# Altium PCB VCU_LAYOUT.PcbDoc (part 1 of 2) (continued)
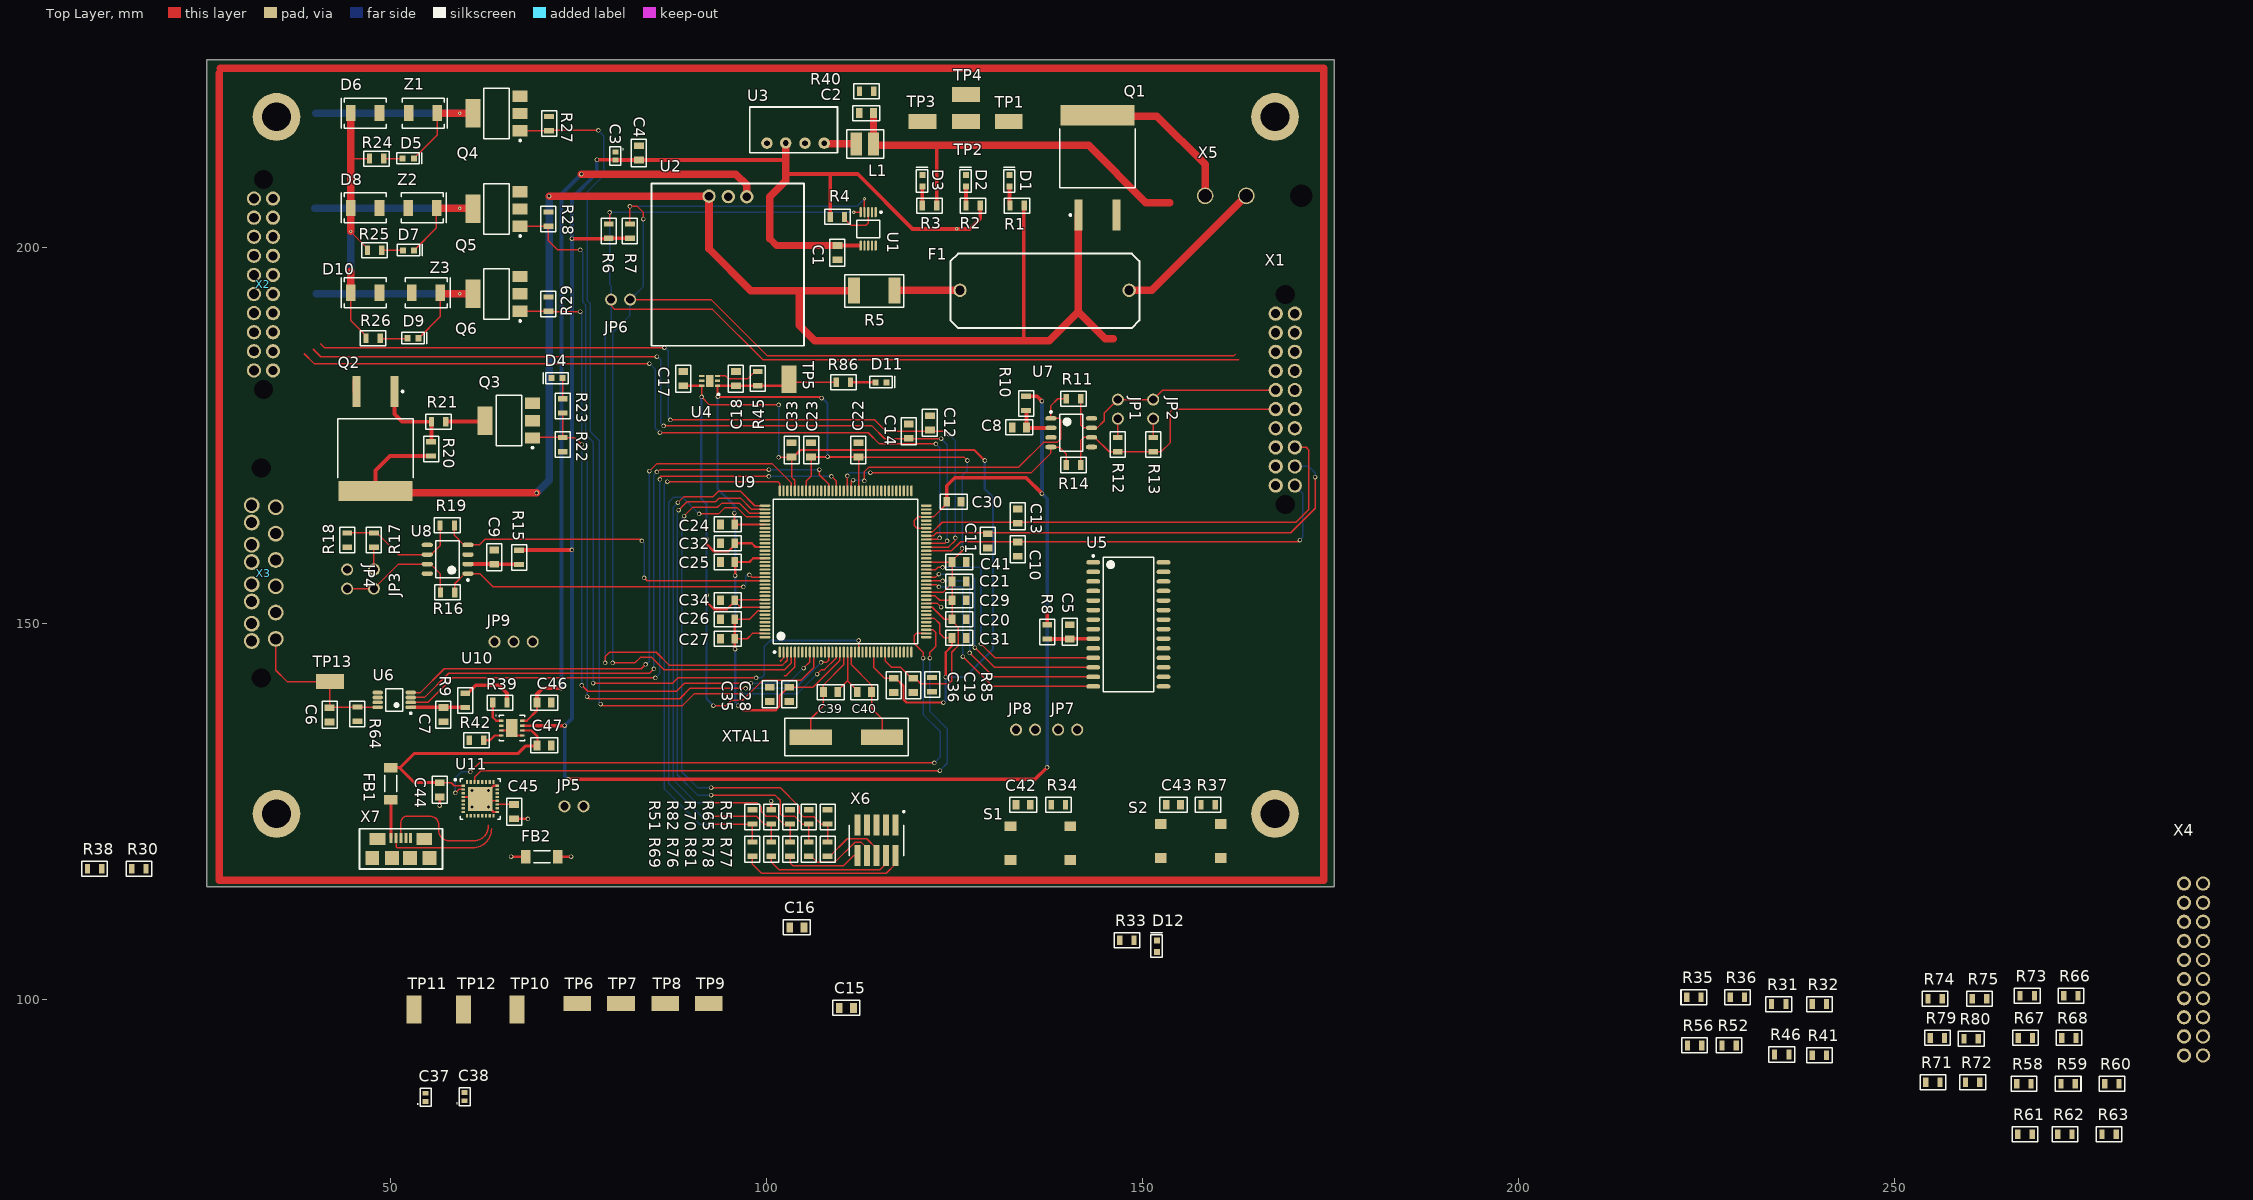
[diagram p0: Top Layer view]
## Footprints (in the part's own frame and the unit in brackets; to place one, negate y for a bottom-side part, rotate by r counter-clockwise, add the part's x,y. Pads: shape width x height; smd on the part's side, far side on the other; paste and mask are expansions set on the pad) (continued)
PUSH_BUTTON [mm]
  rect 1.55x1.3 smd: 1(-3.975,2.25) 1(3.975,2.25) 2(-3.975,-2.25) 2(3.975,-2.25)
  body extent -4.5,-3 4.5,3, height 4.3
QFN-32 [mm] "QFN, 32-Leads, Body 5.00x5.00mm, Pitch 0.50mm, Thermal Pad 3.20x3.20mm, IPC Medium Density"
  rect 0.5x0.3 smd: 1(-2.25,1.75) 2(-2.25,1.25) 3(-2.25,0.75) 4(-2.25,0.25) 5(-2.25,-0.25) 6(-2.25,-0.75) 7(-2.25,-1.25) 8(-2.25,-1.75) 17(2.25,-1.75) 18(2.25,-1.25) 19(2.25,-0.75) 20(2.25,-0.25) 21(2.25,0.25) 22(2.25,0.75) 23(2.25,1.25) 24(2.25,1.75)
  rect 0.3x0.5 smd: 9(-1.75,-2.25) 10(-1.25,-2.25) 11(-0.75,-2.25) 12(-0.25,-2.25) 13(0.25,-2.25) 14(0.75,-2.25) 15(1.25,-2.25) 16(1.75,-2.25) 25(1.75,2.25) 26(1.25,2.25) 27(0.75,2.25) 28(0.25,2.25) 29(-0.25,2.25) 30(-0.75,2.25) 31(-1.25,2.25) 32(-1.75,2.25)
  rect 3.2x3.2 smd: 33(0,0)
  silkscreen extent -3.46,-2.69 2.69,2.69, body extent -2.59,-2.59 2.59,2.59, height 0.6
R0805 [mm]
  rect 0.7x1.3 smd: 1(-0.95,0) 2(0.95,0)
  silkscreen extent -1.7,-1 1.7,1
R2512 [mm]
  rect 1.6x3.5 smd: 1(-2.7,0) 2(2.7,0)
  silkscreen extent -3.9,-2.1 3.9,2.2
SOT-223_NFET [mm] "SOT223, 4-Leads, Body 6.50x7.00mm (avg), Pitch 2.30mm, IPC Medium Density"
  rect 2x1.5 smd: 1(-3.15,2.3) 2(-3.15,0) 3(-3.15,-2.3)
  rect 2x3.8 smd: 4(3.15,0)
  silkscreen extent -3.27,-3.35 1.7,3.72, body extent -1.85,-3.35 1.85,3.35, height 1.63
TANT_10u [mm] "DFN, 2-Leads, Body 0.85x1.60mm, Pitch 1.10mm, IPC Medium Density"
  rect 0.65x0.8 smd: 1(-0.55,0) 2(0.55,0)
  silkscreen extent -1.2,-0.8 1.2,1.05, body extent -0.85,-0.43 0.85,0.43, height 0.9
TP_HOOK [mm]
  rect 3.7x2 smd: 1(0,0)
  body extent -1.56,-0.51 1.56,0.51, height 1.52
USB_MICRO [mm]
  rect 0.4x1.35 smd: 1(-1.3,0) 3(0,0) 4(0.65,0) 5(1.3,0)
  rect 0.4x1.355 smd: 2(-0.65,0)
  rect 1.8x1.9 smd: ""(-3.8,-2.675) ""(3.8,-2.675)
  rect 2.1x1.6 smd: ""(-3.1,-0.125) ""(3.1,-0.125)
  rect 1.9x1.9 smd: ""(-1.2,-2.675) ""(1.2,-2.675)
  silkscreen extent -5.53,-4.15 5.52,1.22, body extent -3.96,-5.31 3.96,0.35, height 2.74
VSON-8 [mm] "SON, 8-Leads, Body 3.00x3.00mm, Pitch 0.65mm, Thermal Pad 2.40x1.49mm, IPC Medium Density"
  rect 0.6x0.3 smd: 1(-1.4,0.975) 2(-1.4,0.325) 3(-1.4,-0.325) 4(-1.4,-0.975) 5(1.4,-0.975) 6(1.4,-0.325) 7(1.4,0.325) 8(1.4,0.975)
  rect 1.49x2.4 smd: 9(0,0)
  silkscreen extent -2.15,-1.7 1.7,1.75, body extent -1.6,-1.55 1.6,1.55, height 1
WSON [mm] "QFN, 6-Leads, Body 2.00x2.00mm, Pitch 0.65mm, Thermal Pad 1.60x1.00mm, IPC Medium Density"
  rect 0.3x0.7 smd: 1(-0.65,-1.05) 2(0,-1.05) 3(0.65,-1.05) 4(0.65,1.05) 5(0,1.05) 6(-0.65,1.05)
  rect 1.6x1 smd: 7(0,0)
  silkscreen extent -1.92,-1.33 -1.68,-1.08, body extent -1.05,-1.05 1.05,1.05, height 0.8
XTAL [mm]
  rect 5.6x2.1 smd: 1(-4.75,0) 2(4.75,0)
  silkscreen extent -8.2,-2.5 8.2,2.5, body extent -6.35,-2.35 6.35,2.35, height 3.16

## Part data
C1 C4 C5 C6 C7 C8 C9 C19 C20 C21 C22 C23 C24 C25 C26 C27 C28 C29 C30 C31 C32 C33 C34 C35 C36 C41 C42 C43 C44 C46 C47: library part GRM21B7U1A104JA01L, "CAP MLCC 100nF 10Volts U2J 5%", Case/Package=0805, Case Code (Metric)=2012, Dielectric=U2J, Manufacturer=Murata, Max Operating Temperature=125°C, Min Operating Temperature=-55°C, Package Quantity=3000, Supplier Part Number 1=490-11592-6-ND, Tolerance=5%, Voltage Rating=10V, Capacitance=100nF, Case Code (Imperial)=0805, ComponentLink1Description=https://datasheet.ciiva.com/5424/product-5424660.pdf, ComponentLink1URL=https://datasheet.ciiva.com/5424/product-5424660.pdf, ComponentLink2Description=https://datasheet.ciiva.com/17451/product-17451845.pdf, ComponentLink2URL=https://datasheet.ciiva.com/17451/product-17451845.pdf, ComponentLink3Description=https://datasheet.ciiva.com/11618/product-11618924.pdf, ComponentLink3URL=https://datasheet.ciiva.com/11618/product-11618924.pdf, Depth=1.25mm, Height=1.25mm, Length=2mm, Manufacturer Part Number=GRM21B7U1A104JA01L, Mount="Surface Mount", Packaging="Tape and Reel", Pricing 1="1=0.46, 10=0.32, 100=0.192, 500=0.144, 1000=0.1216 (USD)", Radiation Hardening=No, Stock 1=6000, Supplier 1=Digi-Key, Termination=SMD/SMT, Thickness=0.053inch, Voltage Rating (DC)=10V, Width=0.049inch
C2 C45: library part GRM219R61A475KE34D, "CAP MLCC 4.7µF ±10% 10V X5R Ceramic Capacitor -55°C ~ 85°C Surface Mount, MLCC 0805 (2012 Metric) 0.079\" L x 0.049\" W (2.00mm x 1.25mm)", Capacitance=4.7uF, Case/Package=0805, Case Code (Metric)=2012, Dielectric=X5R, Manufacturer=Murata, Max Operating Temperature=85°C, Min Operating Temperature=-55°C, Package Quantity=4000, Supplier Part Number 1=490-3339-6-ND, Tolerance=10%, Voltage=10V, Case Code (Imperial)=0805, ComponentLink1Description=https://datasheet.ciiva.com/169/product-169527.pdf, ComponentLink1URL=https://datasheet.ciiva.com/169/product-169527.pdf, ComponentLink2Description=https://datasheet.ciiva.com/5414/product-5414984.pdf, ComponentLink2URL=https://datasheet.ciiva.com/5414/product-5414984.pdf, ComponentLink3Description=https://datasheet.ciiva.com/16467/product-16467258.pdf, ComponentLink3URL=https://datasheet.ciiva.com/16467/product-16467258.pdf, ComponentLink4Description=https://datasheet.ciiva.com/29542/product-29542667.pdf, ComponentLink4URL=https://datasheet.ciiva.com/29542/product-29542667.pdf, ComponentLink5Description=https://datasheet.ciiva.com/29542/product-29542668.pdf, ComponentLink5URL=https://datasheet.ciiva.com/29542/product-29542668.pdf, Depth=1.25mm, Height=0.85mm, Lead Free="Lead Free", Length=2mm, Manufacturer Part Number=GRM219R61A475KE34D, Mount="Surface Mount", Packaging="Tape and Reel", Pricing 1="1=0.21, 10=0.152, 100=0.0716, 500=0.0502, 1000=0.0416 (USD)", Stock 1=251830, Supplier 1=Digi-Key, Termination=SMD/SMT, Thickness=0.037inch, Voltage Rating=10V, Voltage Rating (DC)=10V, Width=0.049inch
C3 C37 C38: library part F381A106MMA, "CAP TANTALUM 10uF, 0603 [1608 Metric], 0.5 ohm, 10 V AVX  Surface Mount Tantalum Capacitor, F38 Series, 10uF, 0603 [1608 Metric], 0.5 ohm, 10 V", Case/Package=0603, Case Code (Metric)=1608, ESR (Equivalent Series Resistance)=500mR, Leakage Current=10uA, Manufacturer="Kyocera AVX", Max Operating Temperature=105°C, Min Operating Temperature=-55°C, Package Quantity=4000, Supplier Part Number 1=478-9527-1-ND, Tolerance=20%, Voltage Rating=10V, Capacitance=10uF, Case Code (Imperial)=0603, ComponentLink1Description=https://datasheet.ciiva.com/48510/f38-48510901.pdf, ComponentLink1URL=https://datasheet.ciiva.com/48510/f38-48510901.pdf, ComponentLink2Description=https://datasheet.ciiva.com/46417/1805432-46417517.pdf, ComponentLink2URL=https://datasheet.ciiva.com/46417/1805432-46417517.pdf, ComponentLink3Description=https://datasheet.ciiva.com/46417/1805432-46417518.pdf, ComponentLink3URL=https://datasheet.ciiva.com/46417/1805432-46417518.pdf, Depth=0.85mm, Dissipation Factor=15%, Height=0.8mm, Height - Seated (Max)=0.035inch, Length=1.6mm, Life (Hours)=1000Hour, Manufacturer Part Number=F381A106MMA, Packaging="Tape and Reel", Pricing 1="1=0.75, 10=0.551, 100=0.3779, 500=0.2992, 1000=0.2519 (USD)", Radiation Hardening=No, REACH SVHC="No SVHC", Stock 1=7989, Supplier 1=Digi-Key, Termination=SMD/SMT, Voltage Rating (DC)=10V, Weight=7.1E-05oz, Width=0.033inch
C10 C11 C12 C13 C14 C15 C16: library part GRM21B7U1A104JA01L, "MLCC SMD CAP 100nF 10Volts U2J 5%", Case/Package=0805, Case Code (Metric)=2012, Dielectric=U2J, Manufacturer=Murata, Max Operating Temperature=125°C, Min Operating Temperature=-55°C, Package Quantity=3000, Supplier Part Number 1=490-11592-6-ND, Tolerance=5%, Voltage Rating=10V, Capacitance=100nF, Case Code (Imperial)=0805, ComponentLink1Description=https://datasheet.ciiva.com/5424/product-5424660.pdf, ComponentLink1URL=https://datasheet.ciiva.com/5424/product-5424660.pdf, ComponentLink2Description=https://datasheet.ciiva.com/17451/product-17451845.pdf, ComponentLink2URL=https://datasheet.ciiva.com/17451/product-17451845.pdf, ComponentLink3Description=https://datasheet.ciiva.com/11618/product-11618924.pdf, ComponentLink3URL=https://datasheet.ciiva.com/11618/product-11618924.pdf, Depth=1.25mm, Height=1.25mm, Length=2mm, Manufacturer Part Number=GRM21B7U1A104JA01L, Mount="Surface Mount", Packaging="Tape and Reel", Pricing 1="1=0.46, 10=0.32, 100=0.192, 500=0.144, 1000=0.1216 (USD)", Radiation Hardening=No, Stock 1=6000, Supplier 1=Digi-Key, Termination=SMD/SMT, Thickness=0.053inch, Voltage Rating (DC)=10V, Width=0.049inch
C17 C18: library part 0805ZC105KAT2A, "CAP CER 1UF 10V X7R 0805", Case/Package=0805, Case Code (Metric)=2012, Dielectric=X7R, Insulation Resistance=100GR, Manufacturer="Kyocera AVX", Max Operating Temperature=125°C, Min Operating Temperature=-55°C, Package Quantity=1, Supplier Part Number 1=478-1405-1-ND, Tolerance=10%, Voltage=10V, Capacitance=1uF, Case Code (Imperial)=0805, ComponentLink1Description=https://datasheet.ciiva.com/2988/cx7r-2988071.pdf, ComponentLink1URL=https://datasheet.ciiva.com/2988/cx7r-2988071.pdf, ComponentLink2Description=https://datasheet.ciiva.com/2988/cx7r-2988072.pdf, ComponentLink2URL=https://datasheet.ciiva.com/2988/cx7r-2988072.pdf, ComponentLink3Description=https://datasheet.ciiva.com/14601/70001075-14601048.pdf, ComponentLink3URL=https://datasheet.ciiva.com/14601/70001075-14601048.pdf, ComponentLink4Description=https://datasheet.ciiva.com/14594/70001075-14594329.pdf, ComponentLink4URL=https://datasheet.ciiva.com/14594/70001075-14594329.pdf, ComponentLink5Description=https://datasheet.ciiva.com/25901/cx7r-25901193.pdf, ComponentLink5URL=https://datasheet.ciiva.com/25901/cx7r-25901193.pdf, ComponentLink6Description=https://datasheet.ciiva.com/15165/getdatasheetpartid-71567-15165451.pdf, ComponentLink6URL=https://datasheet.ciiva.com/15165/getdatasheetpartid-71567-15165451.pdf, ComponentLink7Description=https://datasheet.ciiva.com/151/cx7r-151916.pdf, ComponentLink7URL=https://datasheet.ciiva.com/151/cx7r-151916.pdf, ComponentLink8Description=https://datasheet.ciiva.com/151/cx7r-151917.pdf, ComponentLink8URL=https://datasheet.ciiva.com/151/cx7r-151917.pdf, ComponentLink9Description=https://datasheet.ciiva.com/151/cx7r-151918.pdf, ComponentLink9URL=https://datasheet.ciiva.com/151/cx7r-151918.pdf, ComponentLink10Description=https://datasheet.ciiva.com/11787/0900766b80ed4be2-11787102.pdf, ComponentLink10URL=https://datasheet.ciiva.com/11787/0900766b80ed4be2-11787102.pdf, ComponentLink11Description=https://datasheet.ciiva.com/7812/84526-7812223.pdf, ComponentLink11URL=https://datasheet.ciiva.com/7812/84526-7812223.pdf, ComponentLink12Description=https://datasheet.ciiva.com/19475/2011248-19475855.pdf, ComponentLink12URL=https://datasheet.ciiva.com/19475/2011248-19475855.pdf, Contact Plating=Tin,Matte, Depth=1.25mm, Dissipation Factor=5%, Height=1.4mm, Lead Free="Lead Free", Length=2.01mm, Manufacturer Part Number=0805ZC105KAT2A, Mount="Surface Mount,PCB", Number of Pins=2, Packaging="Tape and Reel", Pricing 1="1=0.21, 10=0.147, 100=0.069, 500=0.0484, 1000=0.0401 (USD)", Radiation Hardening=No, REACH SVHC="No SVHC", Stock 1=385183, Supplier 1=Digi-Key, Termination=SMD/SMT, Thickness=0.055inch, Voltage Rating=10V, Voltage Rating (DC)=10V, Width=1.25mm
C39 C40: library part 885012007003, "CAP MLCC 33pF 10V Ceramic Capacitor C0G, NP0 0805 (2012 Metric) 0.079\" L x 0.049\" W (2.00mm x 1.25mm)", Case/Package=0805, Case Code (Metric)=2012, Manufacturer="Wurth Electronics", Max Operating Temperature=125°C, Min Operating Temperature=-55°C, Supplier Part Number 1=732-7808-1-ND, Tolerance=5%, Voltage Rating=10V, Capacitance=33pF, Case Code (Imperial)=0805, Length=0.079inch, Manufacturer Part Number=885012007003, Mount="Surface Mount", Packaging="Tape and Reel", Pricing 1="1=0.1, 50=0.068, 100=0.062, 250=0.056, 500=0.05, 1000=0.045 (USD)", Stock 1=3090, Supplier 1=Digi-Key, Thickness=0.028inch, Width=0.049inch
D1 D2 D3 D11: "LED GREEN CLEAR 0603 SMD", Case/Package=0603, Case Code (Metric)=1608, Colour=Green, Forward Current=30mA, Forward Voltage=2V, Lens Colour=Clear,Colorless, Manufacturer="Vishay Lite-On", Max Operating Temperature=85°C, Min Operating Temperature=-55°C, Package Quantity=1, Power Dissipation=75mW, Supplier Part Number 1=160-1446-6-ND, Test Current=20mA, Case Code (Imperial)=0603, ComponentLink1Description=https://datasheet.ciiva.com/12400/100-ltst-c191kgkt-53586-12400818.pdf, ComponentLink1URL=https://datasheet.ciiva.com/12400/100-ltst-c191kgkt-53586-12400818.pdf, ComponentLink2Description=https://datasheet.ciiva.com/2109/s-110-ltst-c191kgkt-2109973.pdf, ComponentLink2URL=https://datasheet.ciiva.com/2109/s-110-ltst-c191kgkt-2109973.pdf, ComponentLink3Description=https://datasheet.ciiva.com/2109/s-110-ltst-c191kgkt-2109974.pdf, ComponentLink3URL=https://datasheet.ciiva.com/2109/s-110-ltst-c191kgkt-2109974.pdf, ComponentLink4Description=https://datasheet.ciiva.com/2109/s-110-ltst-c191kgkt-2109975.pdf, ComponentLink4URL=https://datasheet.ciiva.com/2109/s-110-ltst-c191kgkt-2109975.pdf, ComponentLink5Description=https://datasheet.ciiva.com/15223/getdatasheetpartid-103913-15223276.pdf, ComponentLink5URL=https://datasheet.ciiva.com/15223/getdatasheetpartid-103913-15223276.pdf, ComponentLink6Description=https://datasheet.ciiva.com/11773/0900766b80dc02b1-11773629.pdf, ComponentLink6URL=https://datasheet.ciiva.com/11773/0900766b80dc02b1-11773629.pdf, ComponentLink7Description=https://datasheet.ciiva.com/16215/ltst-c191kgkt-16215151.pdf, ComponentLink7URL=https://datasheet.ciiva.com/16215/ltst-c191kgkt-16215151.pdf, Depth=0.8mm, Dominant Wavelength=571nm, Height=0.55mm, Illumination Colour=Green, Lead Free="Lead Free", Length=1.6mm, Lens Style=Clear,Diffused,Colorless,Rectangular, Lens Transparency=Clear, Luminous Intensity=35mcd, Manufacturer Part Number=LTST-C191KGKT, Mount="Surface Mount", Number of Elements=1, Number of LEDs=1, Number of Pins=2, Packaging="Tape and Reel", Power Rating=75mW, Pricing 1="1=0.29, 10=0.211, 25=0.1556, 100=0.1111, 250=0.0756, 500=0.0667, 1000=0.0522, 2500=0.0511 (USD)", Radiation Hardening=No, Stock 1=1301664, Supplier 1=Digi-Key, Viewing Angle=130°, Wavelength=574nm, Width=0.8mm
D4 D5 D7 D9: "LED BLUE CLEAR 0603 SMD", Case/Package=0603, Case Code (Metric)=1608, Colour=Blue, Forward Current=20mA, Forward Voltage=2.8V, Lens Colour=Colorless, Manufacturer="Vishay Lite-On", Max Operating Temperature=80°C, Min Operating Temperature=-20°C, Package Quantity=5000, Supplier Part Number 1=160-2212-6-ND, Test Current=5mA, Voltage=29V, Case Code (Imperial)=0603, ComponentLink1Description=http://components.arrow.com/part/dataview/52218576S9813001N1331, ComponentLink1URL=http://components.arrow.com/part/dataview/52218576S9813001N1331, ComponentLink2Description=http://optoelectronics.liteon.com/zh-cn/api/DwonloadFileHandler.ashx?txtSpecNo=DS22-2003-020&txtPartNo=LTST-C191TBKT-5A, ComponentLink2URL=http://optoelectronics.liteon.com/zh-cn/api/DwonloadFileHandler.ashx?txtSpecNo=DS22-2003-020&txtPartNo=LTST-C191TBKT-5A, Dominant Wavelength=473nm, Height=0.55mm, Illumination Colour=Blue, Length=1.6mm, Lens Style=Diffused,Colorless,Rectangular, Lens Transparency=Clear, Luminous Intensity=15mcd, Manufacturer Part Number=LTST-C191TBKT-5A, Mount="Surface Mount", Number of LEDs=1, Packaging="Tape and Reel", Pricing 1="1=0.52, 10=0.376, 25=0.2884, 100=0.1881, 250=0.138, 500=0.117, 1000=0.0961, 2500=0.0836 (USD)", Radiation Hardening=No, Stock 1=2918, Supplier 1=Digi-Key, Viewing Angle=130°, Width=0.8mm
D6 D8 D10: "DIODE GEN PURP 100V 3A DO214AA", Average Rectified Current=3A, Forward Voltage=1.15V, Manufacturer=MCC, Max Repetitive Reverse Voltage (Vrrm)=100V, Max Surge Current=100A, Package Quantity=1, Peak Reverse Current=10uA, Supplier Part Number 1=S3BB-TPMSCT-ND, ComponentLink1Description=https://datasheet.ciiva.com/914/s3ab-s3mbsmb-914278.pdf, ComponentLink1URL=https://datasheet.ciiva.com/914/s3ab-s3mbsmb-914278.pdf, ComponentLink2Description=https://datasheet.ciiva.com/914/s3ab-s3mbsmb-914279.pdf, ComponentLink2URL=https://datasheet.ciiva.com/914/s3ab-s3mbsmb-914279.pdf, ComponentLink3Description=https://datasheet.ciiva.com/914/s3ab-s3mbsmb-914280.pdf, ComponentLink3URL=https://datasheet.ciiva.com/914/s3ab-s3mbsmb-914280.pdf, ComponentLink4Description=https://datasheet.ciiva.com/15200/getdatasheetpartid-686538-15200554.pdf, ComponentLink4URL=https://datasheet.ciiva.com/15200/getdatasheetpartid-686538-15200554.pdf, ComponentLink5Description=https://datasheet.ciiva.com/17437/s3ab-s3mbsmb-17437836.pdf, ComponentLink5URL=https://datasheet.ciiva.com/17437/s3ab-s3mbsmb-17437836.pdf, Element Configuration=Single, Lead Free="Lead Free", Manufacturer Part Number=S3BB-TP, Mount="Surface Mount", Number of Pins=2, Packaging="Tape and Reel", Peak Non-Repetitive Surge Current=100A, Pricing 1="1=0.56, 10=0.441, 25=0.372, 100=0.3028, 250=0.2509, 500=0.2076, 1000=0.1557 (USD)", Radiation Hardening=No, Reverse Voltage (DC)=100V, Stock 1=10943, Supplier 1=Digi-Key
D12: "LED RED CLEAR 0603 SMD", Case/Package=0603, Case Code (Metric)=1608, Colour=Red, Forward Current=30mA, Forward Voltage=2V, Lens Colour=Colorless, Manufacturer="Vishay Lite-On", Max Operating Temperature=85°C, Min Operating Temperature=-55°C, Package Quantity=1, Power Dissipation=75mW, Reverse Voltage=5V, Supplier Part Number 1=160-1447-1-ND, Test Current=20mA, Case Code (Imperial)=0603, ComponentLink1Description=https://datasheet.ciiva.com/11773/0900766b80dc02b2-11773601.pdf, ComponentLink1URL=https://datasheet.ciiva.com/11773/0900766b80dc02b2-11773601.pdf, ComponentLink2Description=https://datasheet.ciiva.com/2109/s-110-ltst-c191krkt-2109970.pdf, ComponentLink2URL=https://datasheet.ciiva.com/2109/s-110-ltst-c191krkt-2109970.pdf, ComponentLink3Description=https://datasheet.ciiva.com/2109/s-110-ltst-c191krkt-2109971.pdf, ComponentLink3URL=https://datasheet.ciiva.com/2109/s-110-ltst-c191krkt-2109971.pdf, ComponentLink4Description=https://datasheet.ciiva.com/16212/ltst-c191krkt-16212419.pdf, ComponentLink4URL=https://datasheet.ciiva.com/16212/ltst-c191krkt-16212419.pdf, ComponentLink5Description=https://datasheet.ciiva.com/2109/s-110-ltst-c191krkt-2109972.pdf, ComponentLink5URL=https://datasheet.ciiva.com/2109/s-110-ltst-c191krkt-2109972.pdf, ComponentLink6Description=https://datasheet.ciiva.com/15117/getdatasheetpartid-141922-15117737.pdf, ComponentLink6URL=https://datasheet.ciiva.com/15117/getdatasheetpartid-141922-15117737.pdf, ComponentLink7Description=https://datasheet.ciiva.com/12400/lite-on-ltst-c191krkt-190135-12400910.pdf, ComponentLink7URL=https://datasheet.ciiva.com/12400/lite-on-ltst-c191krkt-190135-12400910.pdf, Depth=0.8mm, Dominant Wavelength=631nm, Height=0.55mm, Illumination Colour=Red, Lead Free="Lead Free", Length=1.6mm, Lens Style=Clear,Diffused,Colorless,Rectangular, Lens Transparency=Clear, Luminous Intensity=54mcd, Manufacturer Part Number=LTST-C191KRKT, Mount="Surface Mount", Number of Elements=1, Number of LEDs=1, Number of Pins=2, Packaging="Tape and Reel", Power Rating=75mW, Pricing 1="1=0.29, 10=0.211, 25=0.1556, 100=0.1111, 250=0.0756, 500=0.0667, 1000=0.0522, 2500=0.0511 (USD)", Radiation Hardening=No, Stock 1=684119, Supplier 1=Digi-Key, Viewing Angle=130°, Voltage=2V, Wavelength=639nm, Width=0.8mm
F1: "FUSE HOLDER, PCB, 20X5MM", Colour=Black, Current Rating=10A, Flammability Rating="UL94 V-0", Insulation Resistance=40MR, Manufacturer=Schurter, Max Operating Temperature=85°C, Min Operating Temperature=-40°C, Package Quantity=100, Supplier Part Number 1=486-1258-ND, Voltage=500V, Voltage Rating=250V, Approvals=UL,CSA,IEC,EN, Body Material=Thermoplastic, ComponentLink1Description=https://datasheet.ciiva.com/3014/typ-ogn-3014480.pdf, ComponentLink1URL=https://datasheet.ciiva.com/3014/typ-ogn-3014480.pdf, ComponentLink2Description=https://datasheet.ciiva.com/1269/1842496-1269251.pdf, ComponentLink2URL=https://datasheet.ciiva.com/1269/1842496-1269251.pdf, ComponentLink3Description=https://datasheet.ciiva.com/15188/getdatasheetpartid-392104-15188042.pdf, ComponentLink3URL=https://datasheet.ciiva.com/15188/getdatasheetpartid-392104-15188042.pdf, ComponentLink4Description=https://datasheet.ciiva.com/16203/typ-ogn-16203626.pdf, ComponentLink4URL=https://datasheet.ciiva.com/16203/typ-ogn-16203626.pdf, ComponentLink5Description=https://datasheet.ciiva.com/16463/typ-ogn-16463850.pdf, ComponentLink5URL=https://datasheet.ciiva.com/16463/typ-ogn-16463850.pdf, ComponentLink6Description=https://datasheet.ciiva.com/16215/typ-ogn-16215099.pdf, ComponentLink6URL=https://datasheet.ciiva.com/16215/typ-ogn-16215099.pdf, ComponentLink7Description=https://datasheet.ciiva.com/25893/typ-ogn-25893934.pdf, ComponentLink7URL=https://datasheet.ciiva.com/25893/typ-ogn-25893934.pdf, Contact Material="Tin,Copper Alloy", Contact Plating=Tin, Depth=10.8mm, Fuse Current=10A, Illumination Type=Illuminated, Lead Free="Lead Free", Length=25mm, Manufacturer Part Number=0031.8201, Material=Tin,Thermoplastic, Mount="Through Hole,PCB", Number of Circuits=1, Number of Poles=1, Orientation=Horizontal, Packaging=Bulk, Pricing 1="1=0.63, 10=0.589, 20=0.548, 50=0.4932, 100=0.4658, 200=0.4384, 500=0.411, 1000=0.3836, 5000=0.3644 (USD)", Radiation Hardening=No, REACH SVHC="No SVHC", Stock 1=38678, Supplier 1=Digi-Key, Termination="PC Pin", Voltage Rating (AC)=500V, Voltage Rating (DC)=500V, Weight=0.059966oz
FB1 FB2: library part FBMJ4516HL230NTV, "FERRITE BEAD Ind Chip Bead Multi-Layer 23Ohm 30% 100MHz Ferrite 3.5A 1806 T/R", Case/Package=1806, Case Code (Metric)=4516, DC Resistance (DCR)=14mR, Manufacturer="Taiyo Yuden", Max Current Rating=3.5A, Max Operating Temperature=125°C, Min Operating Temperature=-40°C, Package Quantity=2000, Resistance=180623R, Supplier Part Number 1=587-3857-1-ND, Test Frequency=100MHz, Tolerance=30%, Case Code (Imperial)=1806, ComponentLink1Description=http://www.mouser.com/ds/2/396/chipbeads01_e-559265.pdf, ComponentLink1URL=http://www.mouser.com/ds/2/396/chipbeads01_e-559265.pdf, ComponentLink2Description=http://ds.yuden.co.jp/TYCOMPAS/ut/detail.do?productNo=FBMJ4516HL230NTV&fileName=FBMJ4516HL230NTV_SS&mode=specSheetDownload, ComponentLink2URL=http://ds.yuden.co.jp/TYCOMPAS/ut/detail.do?productNo=FBMJ4516HL230NTV&fileName=FBMJ4516HL230NTV_SS&mode=specSheetDownload, ComponentLink3Description=https://www.yuden.co.jp/ut/product/category/emisuppression/FBMJ4516HL230NTV_SS.pdf, ComponentLink3URL=https://www.yuden.co.jp/ut/product/category/emisuppression/FBMJ4516HL230NTV_SS.pdf, Core Material=Ferrite, Depth=1.6mm, Height=1.1mm, Impedance=23R, Length=0.177inch, Manufacturer Part Number=FBMJ4516HL230NTV, Max DC Current=3.5A, Mount="Surface Mount", Number of Lines=1, Packaging="Tape and Reel", Pricing 1="1=0.26, 10=0.202, 25=0.1676, 50=0.1444, 100=0.1299, 250=0.1097, 500=0.0982, 1000=0.0837 (USD)", Stock 1=1819, Supplier 1=Digi-Key, Termination=SMD/SMT, Width=1.6mm
JP1 JP2 JP3 JP4 JP5 JP6 JP7 JP8: library part M20-9990246, "CONN_HeaderPins2pos Headers & Wire Housings 02 SIL VERTICAL PIN HEADER TIN", Case/Package=SIL, Colour=Black, Contact Resistance=30mR, Current Rating=3A, Insulation Resistance=10GR, Manufacturer=Harwin, Max Operating Temperature=105°C, Min Operating Temperature=-40°C, Package Quantity=1000, Voltage Rating (AC)=750V, ComponentLink1Description=https://datasheet.ciiva.com/8046/315376-8046930.pdf, ComponentLink1URL=https://datasheet.ciiva.com/8046/315376-8046930.pdf, ComponentLink2Description=https://datasheet.ciiva.com/6833/m20-999-6833368.pdf, ComponentLink2URL=https://datasheet.ciiva.com/6833/m20-999-6833368.pdf, ComponentLink3Description=https://datasheet.ciiva.com/11745/0900766b81034e61-11745755.pdf, ComponentLink3URL=https://datasheet.ciiva.com/11745/0900766b81034e61-11745755.pdf, ComponentLink4Description=https://datasheet.ciiva.com/22660/1830818-22660571.pdf, ComponentLink4URL=https://datasheet.ciiva.com/22660/1830818-22660571.pdf, ComponentLink5Description=https://datasheet.ciiva.com/26852/getdatasheetpartid-384170-26852203.pdf, ComponentLink5URL=https://datasheet.ciiva.com/26852/getdatasheetpartid-384170-26852203.pdf, Connector Type="Male Pin", Contact Material=Bronze,Brass, Contact Mating Length=0.24inch, Contact Plating=Tin, Depth=2.54mm, Gender=Male, Housing Colour=Black, Housing Material=Nylon, Length=5.08mm, Manufacturer Part Number=M20-9990246, Max Current Rating=3A, Number of Contacts=2, Number of Positions=2, Number of Rows=1, Orientation=Straight, Packaging=Bulk, Pitch=2.54mm, Pricing 1="1=0.11, 10=0.099, 100=0.0609, 500=0.0504, 1000=0.0441, 5000=0.0378, 10000=0.0368 (USD)", Radiation Hardening=No, REACH SVHC="No SVHC", Stock 1=53577, Supplier 1=Digi-Key, Supplier Part Number 1=952-2262-ND, Termination=Solder
JP9: library part 61300311121, "CONN_HeaderPins3pos WURTH ELEKTRONIK Board-To-Board Connector, Vertical, WR-PHD Series, Through Hole, Header, 3 Contacts, 2.54 mm", Case/Package=100, Colour=Black, Manufacturer="Wurth Electronics", ComponentLink1Description=http://www.farnell.com/cad/1737268.pdf, ComponentLink1URL=http://www.farnell.com/cad/1737268.pdf, Connector Type="Male Pin", Contact Material=Copper, Contact Mating Length=0.236inch, Contact Plating=Gold, Gender=Male, Lead Free="Lead Free", Manufacturer Part Number=61300311121, Mount="Through Hole", Number of Contacts=3, Number of Positions=3, Number of Rows=1, Packaging=Bulk, Pitch=0.1inch, Pricing 1="1=0.13, 10=0.106, 25=0.088, 50=0.074, 100=0.067, 1000=0.061 (USD)", REACH SVHC=Unknown, Stock 1=57026, Supplier 1=Digi-Key, Supplier Part Number 1=732-5316-ND, Termination=Solder
L1: library part 82103C, "Inductor Fixed 10uH 0.5A Mini SMT Power", Case/Package=1210, Case Code (Metric)=3225, Current Rating=500mA, DC Resistance (DCR)=400mR, Inductance=10uh, Manufacturer=Murata, Max Operating Temperature=85°C, Min Operating Temperature=-40°C, Package Quantity=1, Self Resonant Frequency=38MHz, Supplier Part Number 1=811-2473-6-ND, Test Frequency=10KHz, Tolerance=10%, Case Code (Imperial)=1210, ComponentLink1Description=https://datasheet.ciiva.com/6690/kmp-8200c-6690973.pdf, ComponentLink1URL=https://datasheet.ciiva.com/6690/kmp-8200c-6690973.pdf, ComponentLink2Description=https://datasheet.ciiva.com/6690/kmp-8200c-6690974.pdf, ComponentLink2URL=https://datasheet.ciiva.com/6690/kmp-8200c-6690974.pdf, ComponentLink3Description=https://datasheet.ciiva.com/6690/kmp-8200c-6690975.pdf, ComponentLink3URL=https://datasheet.ciiva.com/6690/kmp-8200c-6690975.pdf, Composition=Wirewound, DC Current=500mA, Depth=2.7mm, Height=2mm, Height - Seated (Max)=0.092inch, Length=0.126inch, Manufacturer Part Number=82103C, Max DC Current=500mA, Military Standard=Not, Mount="Surface Mount", Packaging="Tape and Reel", Pricing 1="1=0.32, 100=0.2906 (USD)", Q Factor=35, Radiation Hardening=No, Shielding=Unshielded, Stock 1=1668, Supplier 1=Digi-Key, Termination=SMD/SMT, Width=0.098inch
Q1: "MOSFET  N Channel, 83 A, 150 V, 0.012 ohm, 10 V, 5 V", Case/Package=TO-263-3, Continuous Drain Current (ID)=85A, Drain to Source Voltage (Vdss)=150V, Input Capacitance=4.46nF, Manufacturer=Infineon, Max Operating Temperature=175°C, Max Power Dissipation=350W, Min Operating Temperature=-55°C, Supplier Part Number 1=IRFS4321PBF-ND, Threshold Voltage=5V, ComponentLink1Description=http://www.farnell.com/datasheets/1308989.pdf, ComponentLink1URL=http://www.farnell.com/datasheets/1308989.pdf, Lead Free="Lead Free", Manufacturer Part Number=IRFS4321PBF, Mount="Surface Mount", Number of Pins=3, Packaging=Rail/Tube, Pricing 1="1=3.12, 10=2.804, 100=2.2973, 500=1.9556, 1000=1.6493 (USD)", Rds On Max=15mR, REACH SVHC="No SVHC", Stock 1=1426, Supplier 1=Digi-Key
Q2: "MOSFET P-CH 80V 23.5A 3-Pin(2+Tab) TO-263", Case/Package=TO-263, Continuous Drain Current (ID)=23.5A, Drain to Source Resistance=11.1mR, Drain to Source Voltage (Vdss)=-80V, Gate to Source Voltage (Vgs)=20V, Manufacturer=Vishay, Max Operating Temperature=175°C, Max Power Dissipation=375W, Min Operating Temperature=-50°C, Power Dissipation=13.6W, Supplier Part Number 1=SUM110P08-11L-E3CT-ND, Threshold Voltage=-3V, ComponentLink1Description=https://datasheet.ciiva.com/25652/sum110p0-25652054.pdf, ComponentLink1URL=https://datasheet.ciiva.com/25652/sum110p0-25652054.pdf, Contact Plating=Tin,Matte, Fall Time=550ns, Lead Free="Lead Free", Manufacturer Part Number=SUM110P08-11L-E3, Mount="Surface Mount", Number of Elements=1, Number of Pins=3, Packaging="Tape and Reel", Pricing 1="1=5.01, 10=4.503, 25=4.2572, 100=3.6896, 250=3.5004 (USD)", REACH SVHC="No SVHC", Rise Time=330ns, Stock 1=11394, Supplier 1=Digi-Key, Turn-Off Delay Time=135ns, Turn-On Delay Time=20ns
Q3 Q4 Q5 Q6: "MOSFET Self-Protected Low Side Driver Automotive 4-Pin(3+Tab) SOT-223 T/R", Case/Package=TO-261-4, Manufacturer="ON Semiconductor", Max Operating Temperature=150°C, Max Output Current=7A, Min Operating Temperature=-40°C, On-State Resistance=210mR, Package Quantity=1000, Supplier Part Number 1=NCV8406ASTT1GOSDKR-ND, ComponentLink1Description=https://datasheet.ciiva.com/15265/htmls5-15265281.pdf, ComponentLink1URL=https://datasheet.ciiva.com/15265/htmls5-15265281.pdf, ComponentLink2Description=https://datasheet.ciiva.com/1956/ncv8406-d-1956280.pdf, ComponentLink2URL=https://datasheet.ciiva.com/1956/ncv8406-d-1956280.pdf, ComponentLink3Description=https://datasheet.ciiva.com/16217/ncv8406-d-16217275.pdf, ComponentLink3URL=https://datasheet.ciiva.com/16217/ncv8406-d-16217275.pdf, Fault Protection="Over Voltage,Over Temperature", Halogen Free="Halogen Free", Height=1.57mm, Interface=On/Off, Lead Free="Lead Free", Length=6.5mm, Manufacturer Part Number=NCV8406ASTT1G, Mount="Surface Mount", Number of Outputs=1, Number of Pins=4, Packaging="Tape and Reel", Pricing 1="1=1.41, 10=1.258, 100=0.981, 500=0.8104 (USD)", Radiation Hardening=No, Stock 1=277, Supplier 1=Digi-Key
R1 R6 R7 R24 R25 R26: library part RC0805FR-074K7L, "RES SMD 4.7K OHM 1% 1/8W 0805", Case/Package=0805, Case Code (Metric)=2012, Manufacturer=Yageo, Max Operating Temperature=155°C, Max Power Dissipation=125mW, Min Operating Temperature=-55°C, Package Quantity=5000, Resistance=4.7KR, Supplier Part Number 1=311-4.70KCRDKR-ND, Temperature Coefficient=100ppm/°C, Tolerance=1%, Voltage Rating=150V, Case Code (Imperial)=0805, ComponentLink1Description=https://datasheet.ciiva.com/11808/0900766b8106beab-11808155.pdf, ComponentLink1URL=https://datasheet.ciiva.com/11808/0900766b8106beab-11808155.pdf, ComponentLink2Description=https://datasheet.ciiva.com/7941/444164-7941804.pdf, ComponentLink2URL=https://datasheet.ciiva.com/7941/444164-7941804.pdf, ComponentLink3Description=https://datasheet.ciiva.com/7941/1686128-7941805.pdf, ComponentLink3URL=https://datasheet.ciiva.com/7941/1686128-7941805.pdf, ComponentLink4Description=https://datasheet.ciiva.com/7941/444164-7941806.pdf, ComponentLink4URL=https://datasheet.ciiva.com/7941/444164-7941806.pdf, ComponentLink5Description=https://datasheet.ciiva.com/6547/pyu-r-int-thick-7-6547263.pdf, ComponentLink5URL=https://datasheet.ciiva.com/6547/pyu-r-int-thick-7-6547263.pdf, ComponentLink6Description=https://datasheet.ciiva.com/46447/444164-46447583.pdf, ComponentLink6URL=https://datasheet.ciiva.com/46447/444164-46447583.pdf, Composition="Thick Film", Depth=1.25mm, Height=0.024inch, Lead Free="Lead Free", Length=0.079inch, Manufacturer Part Number=RC0805FR-074K7L, Military Standard=Not, Number of Pins=2, Number of Terminations=2, Packaging="Tape and Reel", Power Rating=125mW, Pricing 1="1=0.1, 10=0.022, 100=0.0088, 1000=0.004, 2500=0.0034 (USD)", REACH SVHC="No SVHC", Stock 1=2632902, Supplier 1=Digi-Key, Termination=SMD/SMT, Voltage Rating (DC)=150V, Width=0.049inch